# Altium PCB shield_io.PcbDoc (part 2 of 2) (continued)
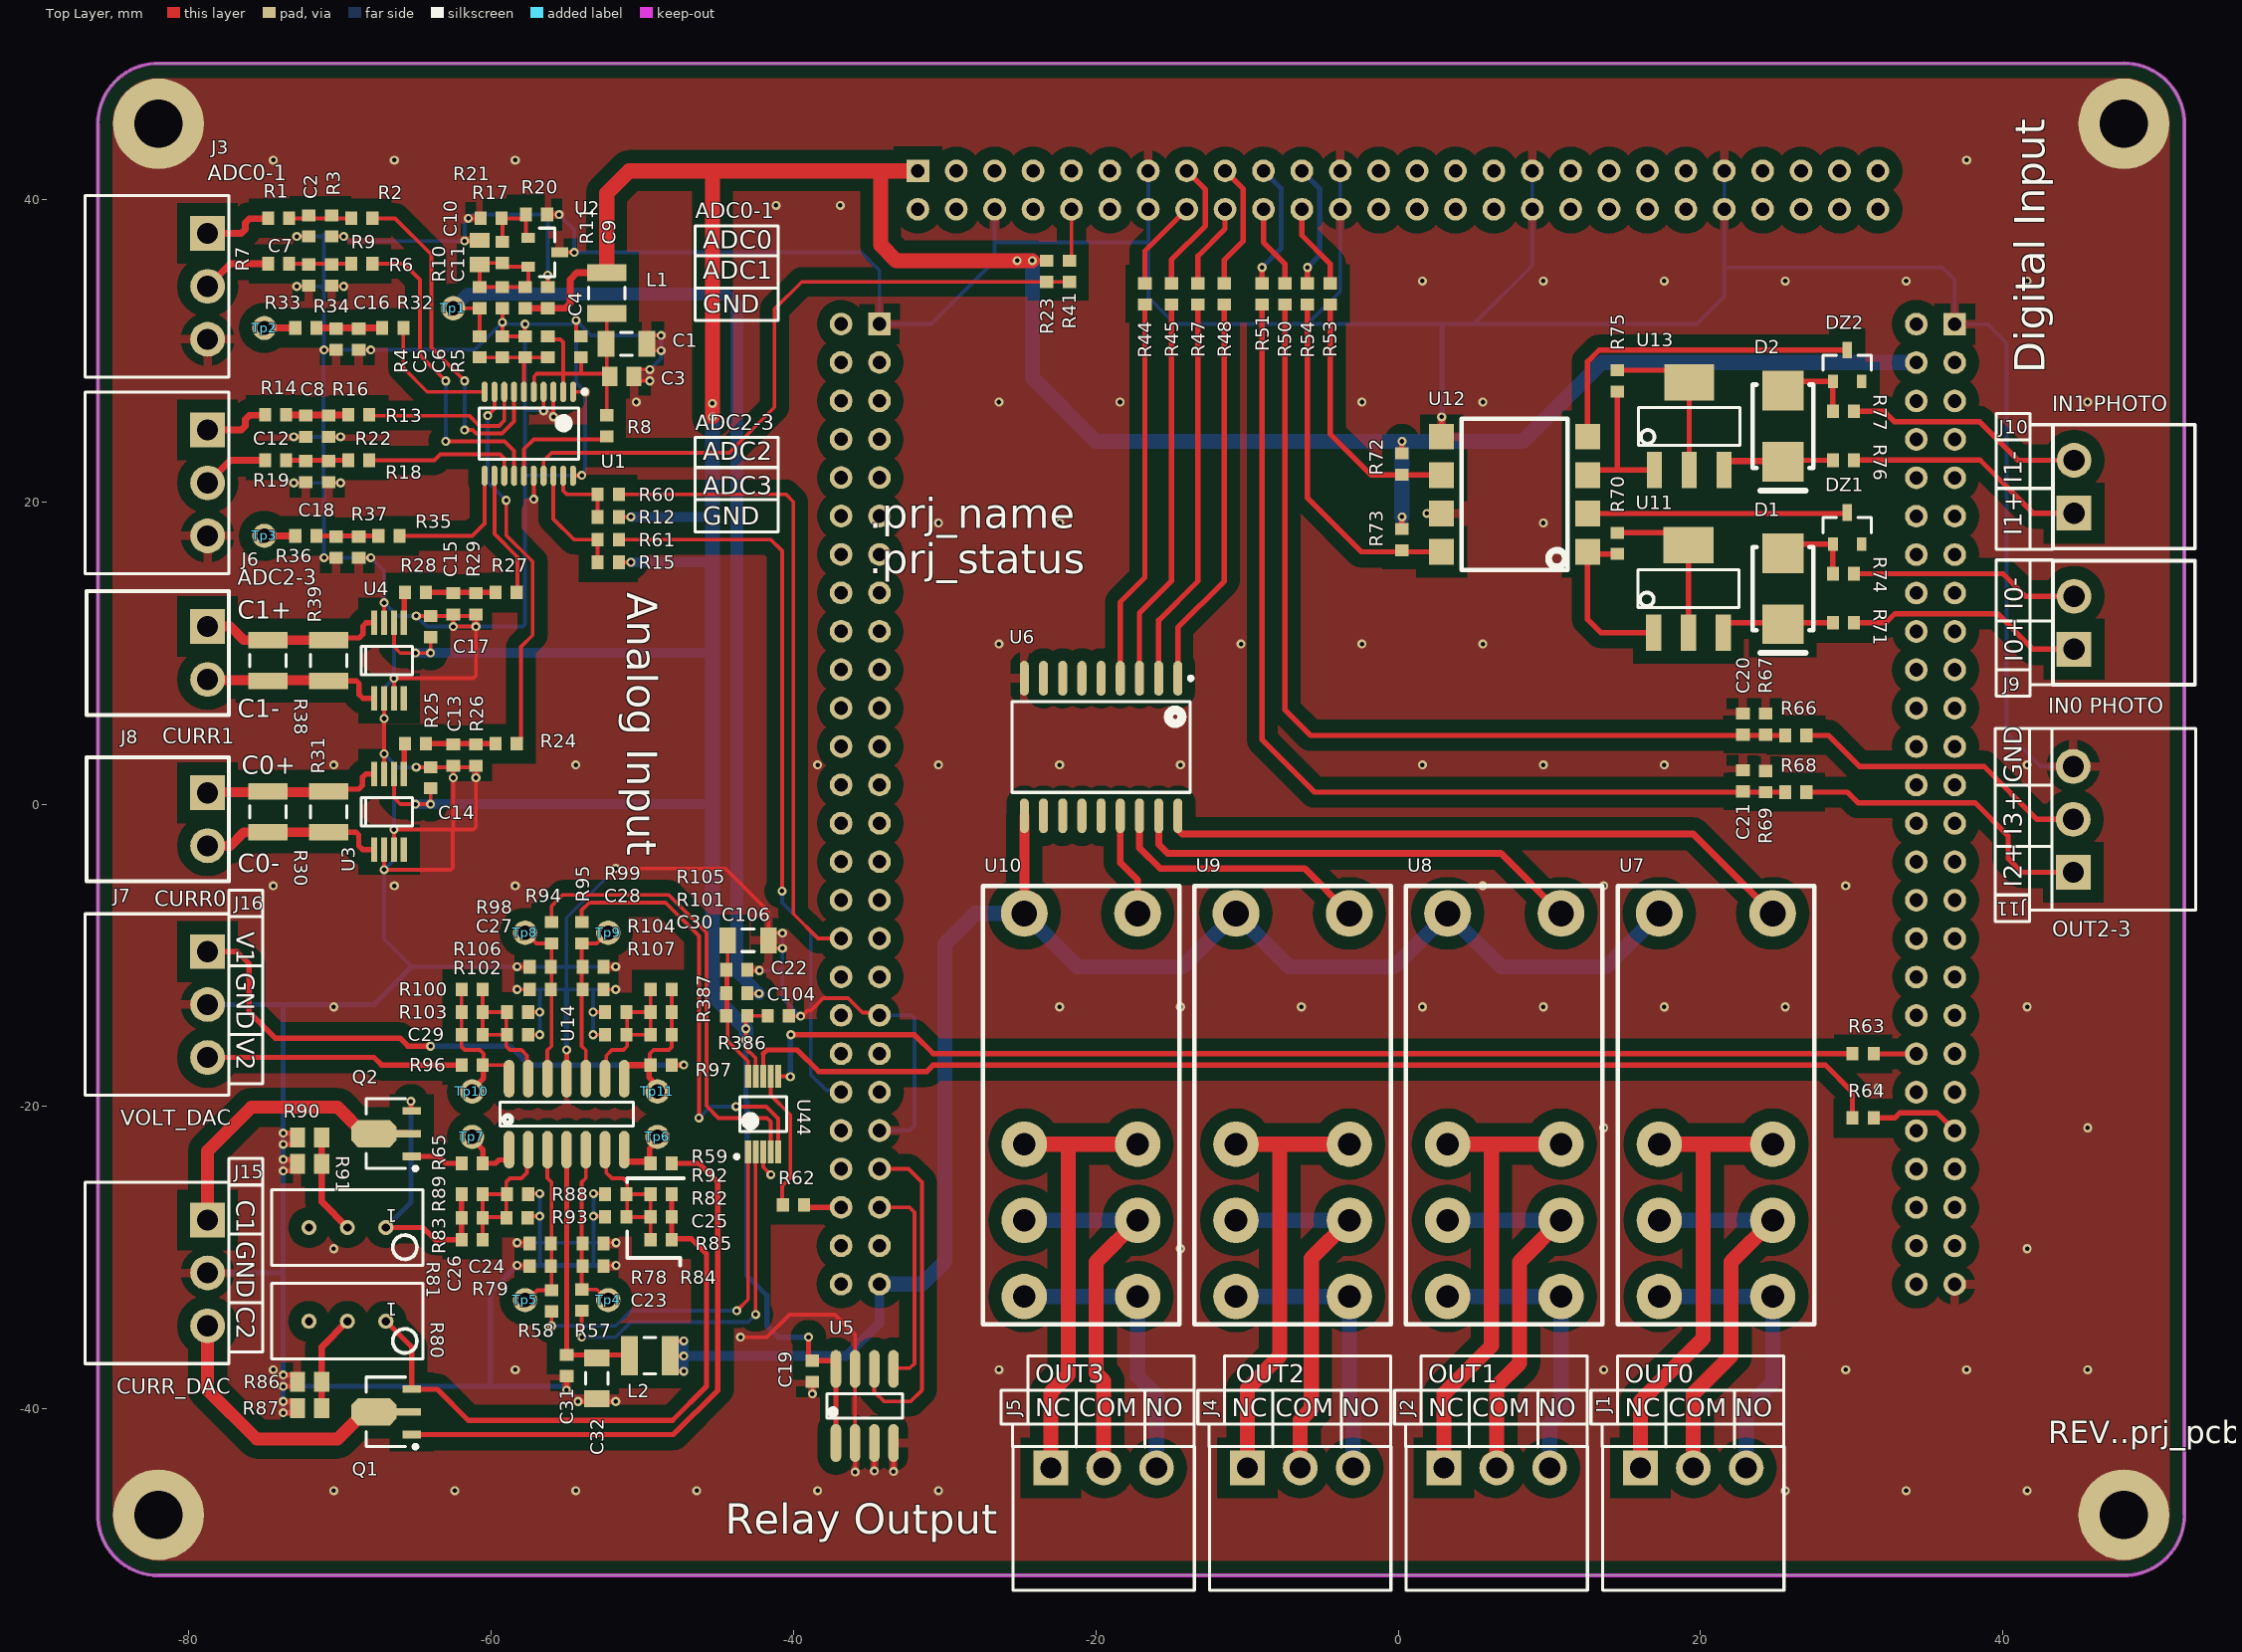
[diagram p0: Top Layer view]
## Nets (pads, with @x,y where several pads share a name; then routed paths per layer and width w, separated by ;. In a path a pad name is that pad's centre, name@x,y a point inside that pad or via, vN(x,y) a via of type N, cw(c..) or ccw(c..) an arc to the next point about the centre after c; other vN are vias at no path point) (continued)
  Top Layer w0.35: Tp10.1@-61.2,-18.95 -61.2,-18.82 -60.5,-18.12 R96.2@-60.5,-17.2
NetC30_1: C30.1 R101.2 R104.1 R105.2 R107.1 U14.9 | length 11.7
  Top Layer w0.25: U14.9@-52.46,-18.15 -52.374,-18.064 -52.374,-16.624 -52,-16.25 -51.25,-16.25 -51,-16 R107.1@-51,-15.25 ; R107.1@-51.05,-15.25 R107.1@-51,-15.25 ; C30.1@-49.45,-15.25 R107.1@-51,-15.25 ; C30.1@-49.45,-15.25 R101.2@-49.45,-13.75 ; R105.2@-49.45,-12.25 R101.2@-49.45,-13.75 ; R107.1@-51,-15.25 -51,-13.8 R104.1@-51.05,-13.75 R101.2@-49.45,-13.75
NetC30_2: C30.2 R97.2 R101.1 R105.1 Tp11.1 U14.8 | length 10.8
  Top Layer w0.25: U14.8@-51.19,-18.15 -51.19,-17.458 U14.8@-50.982,-17.25 ; R97.2@-49.45,-17.25 -49.5,-17.2 -49.5,-16.5 -49.25,-16.25 -48.25,-16.25 -48.05,-16.05 R101.1@-48.05,-13.75 R105.1@-48.05,-12.25
  Top Layer w0.35: R97.2@-49.556,-17.144 -49.556,-18.064 -48.856,-18.764 Tp11.1@-48.856,-18.894
  Top Layer w0.45: U14.8@-50.982,-17.25 R97.2@-49.45,-17.25
NetD1_1: D1.1 R71.1 U11.3 | length 7.7
  Top Layer w0.35: U11.3@21.5,11.35 21.5,11.675 21.825,12 22.5,12 R71.1@28.75,12
NetD1_2: D1.2 DZ1.1 R74.1 | length 5.5
  Top Layer w0.35: D1.2@25.45,16.6 26.063,17.213 DZ1.1@28.75,17.213 R74.1@28.75,15.25
NetD2_1: D2.1 R76.1 U13.3 | length 11.5
  Top Layer w0.35: U13.3@21.5,21.85 21.5,22.326 21.825,22.651 22.5,22.651 D2.1@25.45,22.651 ; U13.3@21.825,22.75 22.5,22.75 25.45,22.75 R76.1@28.75,22.75
NetD2_2: D2.2 DZ2.1 R77.1 | length 4.6
  Top Layer w0.35: D2.2@26.063,27.962 28.75,27.962 R77.1@28.75,26
NetDZ1_3: DZ1.3 U12.2 | length 17.2
  Top Layer w0.35: U12.2@12.526,19.23 29.642,19.23 DZ1.3@29.7,19.288
NetDZ2_3: DZ2.3 U12.4 | length 22.5
  Top Layer w0.35: U12.4@12.526,24.31 12.526,29.276 13.287,30.037 DZ2.3@29.7,30.037
NetQ1_1: Q1.1 R59.1 | length 38.8
  Top Layer w0.35: Q1.1@-65.25,-41.69 -47.94,-41.69 -45,-38.75 -45,-25 -46.25,-23.75 R59.1@-48.05,-23.75
NetQ2_1: Q2.1 R65.1 | length 3.5
  Top Layer w0.35: Q2.1@-65.25,-23.29 -63.46,-23.29 -63,-23.75 R65.1@-61.95,-23.75
NetR2_1: R2.1 U1.7 | length 23.1
  Top Layer w0.25: R2.1@-67.85,38.75 -66.338,38.75 -63.95,36.361 -63.95,30.2 v1(-61.75,28) ; v1(-61.75,24.75) -61.207,24.75 -60.982,24.525 -59.268,24.525 -58.475,25.318 U1.7@-58.475,27.275
  Bottom Layer w0.25: v1(-61.75,24.75) v1(-61.75,28)
NetR6_1: R6.1 U1.14 | length 21.4
  Top Layer w0.25: R6.1@-67.85,35.75 -65.75,35.75 -64.7,34.7 -64.7,29.7 v1(-63,28) ; v1(-63,24) -59.1,24 -58.475,23.375 U1.14@-58.475,21.725
  Bottom Layer w0.25: v1(-63,24) v1@-63,28
NetR8_1: R8.1 U1.15 | length 7.5
  Top Layer w0.25: U1.15@-57.825,21.725 -57.825,23.49 -57.175,24.14 -52.61,24.14 R8.1@-52.45,24.3
NetR13_1: R13.1 U1.8 | length 11.3
  Top Layer w0.25: R13.1@-68.05,25.75 -68,25.7 -61.45,25.7 -60.775,25.025 -59.475,25.025 -59.125,25.375 U1.8@-59.125,27.275
NetR17_2: R17.2 R20.1 R21.2 U2.1 | length 4.9
  Top Layer w0.25: R17.2@-59.25,37.2 -59.25,38.7 R21.2@-59.3,38.75 -57.95,38.75 R20.1@-57.7,39 -57.7,37.612 U2.1@-57.537,37.45
NetR18_1: R18.1 U1.13 | length 10.4
  Top Layer w0.25: R18.1@-68.05,22.75 -63.75,22.75 -63.354,23.146 -59.396,23.146 -59.125,22.875 U1.13@-59.125,21.725
NetR24_1: R24.1 U1.9 | length 25
  Top Layer w0.25: v1(-60.225,25.7) -59.775,26.15 U1.9@-59.775,27.275 ; v1@-59,19.975 -59,17.8 -57.25,16.05 -57.25,11.175 -58.025,10.4 -58.025,4.275 R24.1@-58.3,4
  Bottom Layer w0.25: v1(-60.225,25.7) -60.225,21.325 v1(-59,20.1)
NetR27_1: R27.1 U1.12 | length 8.4
  Top Layer w0.25: U1.12@-59.775,21.725 -59.775,17.868 -58.25,16.343 -58.25,14.05 R27.1@-58.3,14
NetR32_1: R32.1 U1.10 | length 8.7
  Top Layer w0.25: R32.1@-65.8,31.5 -65.8,28.85 -64.225,27.275 U1.10@-60.425,27.275
NetR33_1: R33.1 Tp2.1 | length 2.1
  Top Layer w0.45: Tp2.1@-75,31.5 R33.1@-72.95,31.5
NetR35_1: R35.1 U1.11 | length 9.1
  Top Layer w0.25: R35.1@-66.05,17.75 -61.25,17.75 -60.425,18.575 U1.11@-60.425,21.725
NetR36_1: R36.1 Tp3.1 | length 2.1
  Top Layer w0.45: Tp3.1@-75,17.75 R36.1@-72.95,17.75
NetR59_2: R59.2 Tp6.1 U14.7 | length 4.5
  Top Layer w0.35: R59.2@-49.506,-23.694 -49.506,-22.774 -48.806,-22.074 Tp6.1@-48.806,-21.944
  Top Layer w0.45: U14.7@-51.19,-22.85 -51.19,-23.522 -51.075,-23.637 -49.563,-23.637 R59.2@-49.45,-23.75
NetR65_2: R65.2 Tp7.1 U14.1 | length 4.5
  Top Layer w0.35: Tp7.1@-61.25,-22 -61.25,-22.13 -60.55,-22.83 R65.2@-60.55,-23.75 -59.71,-23.75 -59.48,-23.52 -58.972,-23.52 -58.81,-23.358 U14.1@-58.81,-22.85
NetR70_1: R70.1 U11.1 U12.1 | length 11.2
  Top Layer w0.35: R70.1@14.5,16.55 12.666,16.55 U12.1@12.526,16.69 12.526,12.224 13.4,11.35 U11.1@16.9,11.35
NetR70_2: R70.2 U11.2 U11.4 | length 10.8
  Top Layer w0.35: R70.2@14.5,17.95 18.4,17.95 U11.4@19.2,17.15 U11.2@19.2,11.35
NetR75_1: R75.1 U12.3 U13.1 | length 9.8
  Top Layer w0.35: U12.3@12.526,21.77 12.856,22.1 14.378,22.1 ; R75.1@14.5,27.3 14.5,22.222 14.378,22.1 ; U13.1@16.95,22.1 14.378,22.1
NetR75_2: R75.2 U13.2 U13.4 | length 10.9
  Top Layer w0.35: R75.2@14.5,28.7 18.45,28.7 U13.4@19.25,27.9 U13.2@19.25,22.1
NetR80_2: R80.2 R86.2 R87.2 | length 6.5
  Top Layer w0.45: R87.2@-71.2,-39.95 R86.2@-71.2,-38.2 -71.2,-35.89 R80.2@-69.5,-34.19
NetR81_2: R81.2 R90.2 R91.2 | length 6.7
  Top Layer w0.45: R90.2@-71.2,-22.04 R91.2@-71.2,-23.79 -71.2,-26.3 R81.2@-69.5,-28
NetU6_15: U6.15 U10.T2 | length 6.9
  Top Layer w0.45: U6.15@-18.38,-0.77 -18.38,-3.87 -17.23,-5.02 U10.T2@-17.23,-7.223
NetU6_16: U6.16 U9.T2 | length 17.8
  Top Layer w0.45: U6.16@-17.11,-0.77 -17.11,-2.89 -15.75,-4.25 -6.202,-4.25 U9.T2@-3.23,-7.223
NetU6_17: U6.17 U8.T2 | length 30.4
  Top Layer w0.45: U6.17@-15.84,-0.77 -15.84,-2.66 -15.25,-3.25 6.798,-3.25 U8.T2@10.77,-7.223
NetU6_18: U6.18 U7.T2 | length 42.5
  Top Layer w0.45: U6.18@-14.57,-0.77 -14.541,-0.799 -14.541,-1.695 -14.278,-1.959 19.506,-1.959 U7.T2@24.77,-7.223
NO_OUT0: J1.3 U7.NO1 U7.NO2 | length 19.6
  Bottom Layer w1: U7.NO1@17.27,-32.563 U7.NO2@24.77,-32.563 24.77,-38.23 23.02,-39.98 J1.3@23.02,-43.893
NO_OUT1: J2.3 U8.NO1 U8.NO2 | length 19.1
  Bottom Layer w1: U8.NO1@3.27,-32.563 U8.NO2@10.77,-32.563 10.77,-40.23 10.02,-40.98 J2.3@10.02,-43.893
NO_OUT2: J4.3 U9.NO1 U9.NO2 | length 18.9
  Bottom Layer w1: U9.NO1@-10.73,-32.563 U9.NO2@-3.23,-32.563 -3.23,-39.248 -2.98,-39.498 J4.3@-2.98,-43.893
NO_OUT3: J5.3 U10.NO1 U10.NO2 | length 19.3
  Bottom Layer w1: U10.NO1@-24.73,-32.563 U10.NO2@-17.23,-32.563 -17.23,-37.843 -15.98,-39.092 J5.3@-15.98,-43.893
OUT0: R48.1 U6.1 | length 26
  Top Layer w0.35: U6.1@-14.57,8.33 -14.57,11.68 -11.5,14.75 R48.1@-11.5,33.05
OUT1: R47.2 U6.2 | length 25.8
  Top Layer w0.35: U6.2@-15.84,8.33 -15.84,12.16 -13.25,14.75 R47.2@-13.25,33.05
OUT2: R45.1 U6.3 | length 25.6
  Top Layer w0.35: U6.3@-17.11,8.33 -17.11,12.64 -15,14.75 R45.1@-15,33.05
OUT3: R44.2 U6.4 | length 25.4
  Top Layer w0.35: U6.4@-18.38,8.33 -18.38,13.37 -16.75,15 R44.2@-16.75,33.05
PA0_LCDDAT0_TMS_A7: J12.41
PA1_LCDDAT1_F6: J12.42
PA2_LCDDAT2_G1_TXCK_E6: J12.39
PA3_LCDDAT3_G1_RXCK_C6: J12.40
PA4_LCDDAT4_G1_TXEN_D6: J12.37
PA5_LCDDAT5_G1_TXER_B6: J12.38
PA6_LCDDAT6_G1_CRS_A6: J12.35
PA7_LCDDAT7_E5: J12.36
PA8_LCDDAT8_TCK_A5: J12.31
PA9_LCDDAT9_G1_COL_F4: J12.32
PA10_LCDDAT10_G1_RXDV_F5: J12.29
PA11_LCDDAT11_G1_RXER_D5: J12.30
PA12_LCDDAT12_G1_RX0_G5: J12.27
PA13_LCDDAT13_G1_RX1_C5: J12.28
PA14_LCDDAT14_G1_TX0_E4: J12.25
PA15_LCDDAT15_G1_TX1_B5: J12.26
PA16_LCDDAT16_NTRST_H6: J12.21 R54.2 | length 8.3
  Top Layer w0.35: R54.2@-6,34.45 v1(-6,35.5)
  Bottom Layer w0.35: J12.21@-6.37,41.889 -5.195,40.714 -5.195,36.305 v1(-6,35.5)
PA17_LCDDAT17_D4: J12.22 R53.1 | length 5.7
  Top Layer w0.35: J12.22@-6.37,39.349 -6.37,37.62 -4.5,35.75 R53.1@-4.5,34.45
PA18_LCDDAT18_G1_RX2_G4: J12.19 R51.2 | length 8.4
  Top Layer w0.35: R51.2@-9,34.45 v1(-9,35.5)
  Bottom Layer w0.35: v1(-9,35.5) -7.735,36.765 -7.735,40.714 J12.19@-8.91,41.889
PA19_LCDDAT19_G1_RX3_C4: J12.20 R50.1 | length 5.5
  Top Layer w0.35: J12.20@-8.91,39.349 -8.91,37.16 -7.5,35.75 R50.1@-7.5,34.45
PA20_LCDDAT20_G1_TX2_A3: J12.17 R48.2 | length 8.5
  Top Layer w0.35: R48.2@-11.5,34.45 -11.5,36 -10.25,37.25 -10.25,40.689 J12.17@-11.45,41.889
PA21_LCDDAT21_G1_TX3_B4: J12.18 R47.1 | length 5.6
  Top Layer w0.35: R47.1@-13.25,34.45 -13.25,36.25 -11.45,38.05 J12.18@-11.45,39.349
PA22_LCDDAT22_G1_MDC_B3: J12.15 R45.2 | length 8.9
  Top Layer w0.35: R45.2@-15,34.45 -15,36 -12.75,38.25 -12.75,40.649 J12.15@-13.99,41.889
PA23_LCDDAT23_G1_MDIO_A4: J12.16 R44.1 | length 6
  Top Layer w0.35: R44.1@-16.75,34.45 -16.75,36.59 J12.16@-13.99,39.349
PA24_LCDPWM_PCK0_H5: J12.9
PA25_LCDDISP_TD0_F3: J12.11
PA26_LCDVSYNC_PWMH0_SP1_NPCS1_E3: J12.10 R41.1 | length 3.5
  Top Layer w0.25: R41.1@-21.75,35.95 -21.61,36.09 J12.10@-21.61,39.349
PA27_LCDHSYNC_PWML0_SPI1_NPCS2_H4: J12.8
PA28_LCDPCK_PWMH1_SP1_NPCS3_G3: J12.12
PA29_LCDDEN_PWML1_J5: J12.7
PA30_TWD0_D3: J13.47 U5.5 | length 14
  Top Layer w0.25: J13.47@-34.308,-26.66 -32.34,-26.66 -32,-27 -32,-37 -32.301,-37.301 -33.331,-37.301 U5.5@-33.38,-37.35
PA31_TWCK0_J4: J13.45 U5.6 | length 22.2
  Top Layer w0.25: U5.6@-34.65,-37.35 -34.65,-38.85 -34,-39.5 -32.25,-39.5 -31.5,-38.75 -31.5,-25 -32.38,-24.12 J13.45@-34.308,-24.12
PB1_G0_RXCK_SCK2_ISI_PCK_A2: J13.3
PB3_G0_TXER_CTS2_ISI_VSYNC_C2: J13.6
PB4_G0_CRS_RXD2_ISI_HSYNC_J3: J13.14
PB5_G0_COL_TXD2_PCK2_H2: J13.12
PB10_G0_RX2_PCK2_PWML1_F1: J13.10
PB11_G0_RX3_RTS2_PWMH1_K4: J13.13
PB14_G0_TX2_SPI2_NPCS1_PWMH0_A1: J13.5
PB15_G0_TX3_SPI2_NPCS2_PWML0_E2: J13.7
PB18_SPI1_MISO_K2: J12.45
PB19_SPI1_MOSI_C1: J12.47
PB20_SPI1_SPCK__D1: J12.49
PB21_SPI1_NPCS0_L3: J13.15
PB22_SPI1_NPCS1_G1: J13.9
PB23_SPI1_NPCS2_H1: J12.51
PB24_DRXD_TDI_E1: J13.8
PB25_DTXD_TDO_J1: J13.11
PB26_PCK0_RK0_PWMH0_M5: J14.45
PB27_SPI1_NPCS3_TK0_PWML0_L2: J13.17
PB28_SPI2_NPCS3_TD0_PWMH1_K1: J13.16
PB29_TWD2_RD0_PWML1_M3: J13.42 R61.1 | length 49
  Top Layer w0.25: R61.1@-51.55,17.5 -41.5,17.5 -40.75,16.75 v1(-40.75,-5.75)
  Bottom Layer w0.25: v1(-40.75,-5.75) -40.75,-6.5 -38.85,-8.4 -38.85,-17.9 -37.824,-18.926 -36.962,-18.926 J13.42@-36.848,-19.04
PB30_TWCK2_RF0_M4: J13.34 R60.1 | length 42.8
  Top Layer w0.25: R60.1@-51.55,20.5 -40.5,20.5 -40,20 -40,-7.25 -38.37,-8.88 J13.34@-36.848,-8.88
PB31_TF0_L1: J13.18
PC0_SPI0_MISO_PWMH2_ISI_D8: J13.50
PC1_SPI0_MOSI_PWML2_ISI_D9_P8: J14.43 R64.2 | length 6
  Top Layer w0.35: R64.2@31.45,-20.75 32.84,-20.75 33.175,-20.415 35.637,-20.415 J14.43@36.812,-21.59
PC2_SPI0_SPCK_PWMH3_ISI_D10_V5: J13.48 R62.1 | length 2.5
  Top Layer w0.35: R62.1@-39.3,-26.5 -39.14,-26.66 J13.48@-36.848,-26.66
PC3_SPI0_NPCS0_PWML3_ISI_D11_T9: J14.40 R63.1 | length 2.8
  Top Layer w0.35: R63.1@31.45,-16.5 31.46,-16.51 J14.40@34.272,-16.51
PC4_SPI0_NPCS1_MCI0_CK_PCK1_W5: J14.33
PC19_ISI_D0_TK1_U14: J14.32
PC20_ISI_D1_TF1_V11: J14.36
PC21_ISI_D2_TD1_U15: J14.27
PC22_ISI_D3_RF1_T15: J14.41
PC23_ISI_D4_RD1_U16: J14.28
PC24_ISI_D5_RK1_PCK1_T16: J14.30
PC25_ISI_D6_TWD3_URXD1_V17: J14.16
PC26_ISI_D7_TWCK3_UTXD1_R16: J14.25
PC27_AD0_SPI0_NPCS1_PWML0_U12: J12.46
PC28_AD1_SPI0_NPCS2_PWML1_T11: J12.48
PC29_AD2_SPI0_NPCS3_PWMFI0_R13: J12.50
PC30_AD3_PWMH0_T12: J12.52
PC31_AD4_PWMH1_T13: J14.31
PD8_PCK0_M1: J13.20
PD9_FIQ_M2: J13.19
PD10_CTS0_N2: J13.23
PD11_RTS0_SPI2_MISO_N3: J13.24
PD12_RXD0_N1: J13.22
PD13_TXD0_SPI2_MOSI_P3: J13.25
PD14_CTS1_P2: J13.33
PD15_RTS1_SPI2_SPCK_N4: J14.47
PD16_RXD1_R2: J13.32
PD17_TXD1_SPI2_NPCS0_R3: J13.31
PD19_P11: J14.35
PD20_T10: J14.48
PD21_P10: J14.39
PD22_U11: J14.38
PD23_R10: J14.42
PD24_U10: J14.37
PD25_R11: J14.34
PD26_U13: J13.38
PD27_T14: J14.46
PD28_SCK0_R1: J13.27
PD29_SCK1_P1: J13.26
PD31_SPI0_NPCS2_PCK1_P5: J14.50
PE0_MCI0_CDB_CTS4_W19: J14.29
PE1_MCI0_DB0_U17: J14.20
PE2_MCI0_DB1_T17: J14.19
PE3_MCI0_DB2_P16: J14.22
PE4_MCI0_DB3_U18: J14.21
PE5_CTS3_R17: J14.18
PE6_TIOA3_V19: J14.13
PE7_TIOB3_PWMFI1_U19: J14.12
PE8_TCLK3_PWML3_T19: J14.24
PE9_TIOA2_T18: J14.11
PE10_TIOB2_N14: J14.44
PE11_TCLK2_R18: J14.7
PE12_TIOA1_PWMH2_P17: J14.15
PE13_TIOB1_PWML2_P18: J14.9
PE14_TCLK1_PWMH3_N17: J14.14
PE15_SCK3_TIOA0_N18: J14.6
PE16_RXD3_TIOB0_M15: J14.26
PE17_TXD3_TCLK0_N19: J14.5
PE24_RTS3_L19: J14.10
PE25_SCK4_IRQ_M17: J14.8
PE26_RXD4_L15: J14.23
PE27_TXD4_M16: J14.17
PE28_RTS4_L17: J14.3
PE29_DIBP_URXD0_TWD1_V1: J13.28
PE30_DIBN_UTXD0_TWCK1_U2: J13.30
PE31_ADTRG_L4: J13.21
PIOBU0_U3: J13.40
PIOBU1: J14.52
SHDN_T2: J13.29
VOLT_AUX1: J16.1 R97.1 | length 37.3
  Top Layer w0.35: J16.1@-78.75,-9.75 -76.806,-9.75 -76,-10.556 -76,-13.75 -74.281,-15.469 -66.031,-15.469 -65.5,-16 v1(-64,-16) ; R97.1@-48.05,-17.25 v1(-47.25,-17.25)
  Bottom Layer w0.35: v1(-64,-16) -58.75,-16 -57.5,-17.25 v1(-47.25,-17.25)
VOLT_AUX2: J16.3 R96.1 | length 17
  Top Layer w0.35: J16.3@-78.75,-16.75 -67.75,-16.75 -67.25,-17.25 R96.1@-61.95,-17.25
VOLT_DAC_Vc: R95.1 U44.5 | length 29.8
  Top Layer w0.25: R95.1@-54,-7.8 -54,-7 -53.5,-6.5 -48.457,-6.5 -46.25,-8.707 v1(-46.25,-20.75) ; v1(-43.8,-20) -41.793,-20 -41,-20.793 U44.5@-41,-23
  Bottom Layer w0.25: v1(-46.25,-20.75) -45.5,-20 v1(-43.8,-20)
VOLT_DAC_Vd: R94.1 U44.4 | length 30.8
  Top Layer w0.25: R94.1@-56,-7.8 -56,-6.75 -55.25,-6 -48.25,-6 -45.75,-8.5 -45.75,-19.957 -44.957,-20.75 -41.75,-20.75 -41.5,-21 U44.4@-41.5,-23
VREF_ADC: R4.2 R10.2 R387.1 Tp1.1 | length 70
  Top Layer w0.25: Tp1.1@-62.5,32.8 R10.2@-60.75,32.8 R4.2@-60.75,30.95 ; R387.1@-43.075,-12.475 -43.025,-12.525 v1(-42.275,-12.525)
  Bottom Layer w0.85: Tp1.1@-62.5,32.8 -61.55,33.75 -44.5,33.75 -43.75,33 -43.75,-11.05 v1(-42.275,-12.525)
WKUP_V3: J13.36
pads on no net: DZ1.2 DZ2.2 J12.2 J12.3 J12.4 J12.5 J13.2 J13.4 J13.44 J14.2 J14.49 R80.3 R81.3 U3.4 U4.4 U6.5 U6.6 U6.7 U6.8 U6.11 U6.12 U6.13 U6.14

## Polygon pours and split planes (outlines as drawn)
GND on Bottom Layer "GND_L02_P000" (solid, remove dead copper, pour order 0): -86,-47.255 -86,45 -86.008,45 cw(c-82,45) -82.255,49 48,49 48,49.008 cw(c48,45) 52,45.255 52,-47 52.008,-47 cw(c48,-47) 48.255,-51 -82,-51 -82,-51.008 cw(c-82,-47)
GND on Top Layer "GND_L01_P001" (solid, remove dead copper, pour order 1): -86,-47.255 -86,45 -86.008,45 cw(c-82,45) -82.255,49 48,49 48,49.008 cw(c48,45) 52,45.255 52,-47 52.008,-47 cw(c48,-47) 48.255,-51 -82,-51 -82,-51.008 cw(c-82,-47)

## Keep-outs
Keep-Out Layer:
  lines w0.25: -86.008,45 cw(c-82,45) -82.255,49 48,49 ; -86,45 -86,-47.255 ccw(c-82,-47) -82,-51.008 ; -82,-51 48.255,-51 ccw(c48,-47) 52.008,-47 ; 48,49.008 cw(c48,45) 52,45.255 52,-47

## Silkscreen, mask and mechanical layers (free items; w line width, h text height)
Top Overlay:
  lines w0.2: -77.35,-36.223 -75.1,-36.223 ; -77.35,-36.186 -77.35,-24.186 -77.35,-23.436 -75.1,-23.436 -75.1,-25.186 ; -77.35,-32.973 -75.1,-32.973 ; -77.35,-28.434 -75.1,-28.434 ; -77.35,-25.188 -77.35,-25.186 -75.1,-25.186 ; -77.35,-18.474 -75.1,-18.474 ; -77.35,-18.436 -77.35,-6.436 -77.35,-5.686 -75.1,-5.686 -75.1,-7.436 ; -77.35,-15.224 -75.1,-15.224 ; -77.35,-10.684 -75.1,-10.684 ; -77.35,-7.438 -77.35,-7.436 -75.1,-7.436 ; -75.1,-36.186 -75.1,-25.186 ; -75.1,-32.954 -75.1,-32.936 ; -75.1,-18.436 -75.1,-7.436 ; -75.1,-15.205 -75.1,-15.186 ; -46.5,20.138 -41,20.138 ; -46.5,22.27 -41,22.27 ; -46.5,34.138 -41,34.138 ; -46.5,36.27 -41,36.27 ; -25.5,-42.5 -25.5,-41 ; -24.498,-41 -24.5,-41 -24.5,-38.75 ; -21.29,-42.5 -21.29,-38.75 ; -16.75,-42.5 -16.75,-38.75 -16.731,-38.75 ; -13.5,-42.5 -13.5,-38.75 ; -13.5,-41 -25.5,-41 ; -12.5,-42.5 -12.5,-41 ; -11.498,-41 -11.5,-41 -11.5,-38.75 ; -8.29,-42.5 -8.29,-38.75 ; -3.75,-42.5 -3.75,-38.75 -3.731,-38.75 ; -0.5,-42.5 -0.5,-38.75 ; -0.5,-41 -12.5,-41 ; 0.5,-42.5 0.5,-41 ; 1.502,-41 1.5,-41 1.5,-38.75 ; 4.71,-42.5 4.71,-38.75 ; 9.25,-42.5 9.25,-38.75 9.269,-38.75 ; 12.5,-42.5 12.5,-38.75 ; 12.5,-41 0.5,-41 ; 13.5,-42.5 13.5,-41 ; 14.502,-41 14.5,-41 14.5,-38.75 ; 17.71,-42.5 17.71,-38.75 ; 22.25,-42.5 22.25,-38.75 22.269,-38.75 ; 25.5,-42.5 25.5,-38.75 ; 25.5,-41 13.5,-41 ; 39.5,-6 39.5,5 43.25,5 ; 39.5,-2.79 43.25,-2.79 ; 39.5,1.769 39.5,1.25 43.25,1.25 43.25,1.75 ; 39.55,8.551 39.55,16.151 39.55,16.15 43.3,16.15 ; 39.55,12.11 43.3,12.11 ; 39.55,20.89 43.3,20.89 ; 39.55,24.449 39.55,16.849 39.55,16.85 43.3,16.85 ; 41.75,-5.998 39.5,-5.998 39.5,-7.75 41.75,-7.75 41.75,-7 ; 41.75,5 41.75,-7 ; 41.8,8.902 39.55,8.902 39.55,7.15 41.8,7.15 41.8,7.9 ; 41.8,16.15 41.8,7.9 ; 41.8,16.85 41.8,25.1 ; 41.8,24.098 39.55,24.098 39.55,25.85 41.8,25.85 41.8,25.1 ; 43.25,-7 41.75,-7 ; 43.3,7.9 41.8,7.9 ; 43.3,25.1 41.8,25.1 ; -25.5,-41 -26.25,-41 -26.25,-38.75 -24.5,-38.75 ; -24.5,-38.75 -13.5,-38.75 ; -24.5,-38.75 -24.5,-36.5 -13.5,-36.5 -13.5,-38.75 ; -12.5,-41 -13.25,-41 -13.25,-38.75 -11.5,-38.75 ; -11.5,-38.75 -0.5,-38.75 ; -11.5,-38.75 -11.5,-36.5 -0.5,-36.5 -0.5,-38.75 ; 0.5,-41 -0.25,-41 -0.25,-38.75 1.5,-38.75 ; 1.5,-38.75 12.5,-38.75 ; 1.5,-38.75 1.5,-36.5 12.5,-36.5 12.5,-38.75 ; 13.5,-41 12.75,-41 12.75,-38.75 14.5,-38.75 ; 14.5,-38.75 25.5,-38.75 ; 14.5,-38.75 14.5,-36.5 25.5,-36.5 25.5,-38.75 ; -46.5,18 -41,18 -41,24.25 -46.5,24.25 -46.5,18 ; -46.5,32 -41,32 -41,38.25 -46.5,38.25 -46.5,32
  lines w0.254: -51,-28.25 -51,-30 -47.5,-30 -47.5,-30.5 ; -51,-25 -51,-24.75 -47.25,-24.75
  text "ADC0-1" at -46.5,38.75 h1
  text "ADC0" at -46,36.75 h1.2
  text "ADC1" at -46,34.75 h1.2
  text "GND" at -46,32.5 h1.2
  text "Digital Input" at 42.75,28.5 h2 r90
  text "ADC2-3" at -46.5,24.75 h1
  text "ADC2" at -46,22.75 h1.2
  text "ADC3" at -46,20.5 h1.2
  text "GND" at -46,18.5 h1.2
  text "I1+ I1-" at 41.25,17.75 h1.2 r90
  text ".prj_name / .prj_status" at -35,15.25 h2
  text "Analog Input" at -51,14 h2 r270
  text "C1+" at -76.75,12.25 h1.2
  text "I0+ I0-" at 41.3,9.4 h1.2 r90
  text "C1-" at -76.75,5.75 h1.2
  text "C0+" at -76.5,2 h1.2
  text "C0-" at -76.75,-4.5 h1.2
  text "I2+ I3+ GND" at 41.25,-5.5 h1.2 r90
  text "V1 GND V2" at -76.842,-8.436 h1.2 r270
  text "C1 GND C2" at -76.842,-26.186 h1.2 r270
  text "NC COM NO" at -24,-40.5 h1.2
  text "NC COM NO" at -11,-40.5 h1.2
  text "NC COM NO" at 2,-40.5 h1.2
  text "NC COM NO" at 15,-40.5 h1.2
  text "REV..prj_pcb" at 43,-42.25 h1.5
  text "Relay Output" at -44.5,-48.25 h2
Bottom Overlay:
  lines w0.2: -38.85,-12.28 -38.85,-7.75 -32.5,-7.75 -32.5,-18.019 -38.75,-18.019 -38.75,-12.25 ; -38.75,-27.75 -38.75,-23 -32.5,-23 -32.5,-27.75 -38.75,-27.75 ; -38.75,30 -32.5,30 -32.5,34.75 -38.75,34.75 -38.75,30 ; -35.25,37.75 -35.25,44 -2.5,44 -2.5,37.75 -35.25,37.75 ; 7.5,37.75 7.5,44 10,44 10,37.75 7.5,37.75 ; 20.5,37.5 20.5,43.75 22.75,43.75 22.75,37.5 20.5,37.5 ; 32.25,-33.5 38.5,-33.5 38.5,-30.5 32.25,-30.5 32.25,-33.5 ; 32.5,-23 38.75,-23 38.75,-15 32.5,-15 32.5,-23 ; 32.5,28 38.75,28 38.75,33.75 32.5,33.75 32.5,28
  text ".prj_name / .prj_status" at 28.75,-2.25 h2
  text "REV..prj_pcb" at 41,-42.5 h1.5
Top Solder:
  drawing of 28 lines, arcs and shapes, not listed
  text "D" at 39.867,-40.625 h1.5
  text "B" at 39.867,-43.425 h1.5
Outline:
  lines w0.25: -86.008,45 cw(c-82,45) -82.255,49 48,49 ; -86,45 -86,-47.255 ccw(c-82,-47) -82,-51.008 ; -82,-51 48.255,-51 ccw(c48,-47) 52.008,-47 ; 48,49.008 cw(c48,45) 52,45.255 52,-47
Drawing:
  lines w0.25: -35.56,0.01 -0.02,0.01 ; -0.02,0 35.56,0 ; -0.02,0.005 -0.02,40.619
Assembly Top:
  text "Assembly TOP" at 140,-105 h5
Assembly Bottom:
  text "Assembly Bottom" at -116,-105 h5
Note Top:
  text "Note TOP" at 140,-105 h5
Note Bottom:
  text "Note Bottom" at -116,-105 h5
PCB_Note:
  drawing of 223 lines, arcs and shapes, not listed
  text "NOTE:" at -181.5,143.25 h10
  text "- Layer: 4L" at -181.5,134 h5
  text "- Material: FR4 HTG" at -181.5,129 h5
  text "- Finishing: HASL" at -181.5,124 h5
  text "- Silkscreen: WHITE" at -181.5,119 h5
  text "- Solder mask color: GREEN" at -181.5,114 h5
  text "2 Layers" at -171.25,-9 h5
  text "File Layer names:" at -172.25,-14.25 h3.5
  text "GTO" at -172.25,-18.25 h3
  text "Top Overlay" at -163.25,-18.25 h3
  text "GTP" at -172.25,-21.25 h3
  text "Top Paste" at -163.25,-21.25 h3
  text "GTS" at -172.25,-24.25 h3
  text "Top Solder" at -163.25,-24.25 h3
  text "GTL" at -172.25,-27.25 h3
  text "Top Layer" at -163.25,-27.25 h3
  text "GBL" at -172.25,-30.25 h3
  text "Bottom Layer" at -163.25,-30.25 h3
  text "GBS" at -172.25,-33.25 h3
  text "Bottom Solder" at -163.25,-33.25 h3
  text "GBP" at -172.25,-36.25 h3
  text "Bottom Paste" at -163.25,-36.25 h3
  text "GBO" at -172.25,-39.25 h3
  text "Bottom Overlay" at -163.25,-39.25 h3
  text "GM1" at -172.25,-45.25 h3
  text "Outline" at -163.25,-45.25 h3
  text "GM7" at -172.25,-48.25 h3
  text "PCB_Note" at -163.25,-48.25 h3
  text "Layer" at -184.858,-71.25 h1.5
  text "Name" at -176.052,-71.25 h1.5
  text "Material" at -156.834,-71.25 h1.5
  text "Thickness" at -143.2,-71.25 h1.5
  text "Constant" at -130.173,-71.25 h1.5
  text "Board Layer Stack" at -117.754,-71.25 h1.5
  text "Top Overlay" at -176.052,-74.25 h1.5
  text "Top Solder" at -176.052,-77.25 h1.5
  text "SM-001" at -156.834,-77.25 h1.5
  text "0,025mm" at -143.2,-77.25 h1.5
  text "4" at -130.173,-77.25 h1.5
  text "1" at -184.858,-80.25 h1.5
  text "Top Layer" at -176.052,-80.25 h1.5
  text "Copper" at -156.834,-80.25 h1.5
  text "0,035mm" at -143.2,-80.25 h1.5
  text "Dielectric 1" at -176.052,-83.25 h1.5
  text "Core-043" at -156.834,-83.25 h1.5
  text "1,499mm" at -143.2,-83.25 h1.5
  text "4,3" at -130.173,-83.25 h1.5
  text "2" at -184.858,-86.25 h1.5
  text "Bottom Layer" at -176.052,-86.25 h1.5
  text "Copper" at -156.834,-86.25 h1.5
  text "0,035mm" at -143.2,-86.25 h1.5
  text "Bottom Solder" at -176.052,-89.25 h1.5
  text "SM-001" at -156.834,-89.25 h1.5
  text "0,025mm" at -143.2,-89.25 h1.5
  text "4" at -130.173,-89.25 h1.5
  text "Bottom Overlay" at -176.052,-92.25 h1.5
  text "PCB Note" at 140,-105 h5
  text "Board Name" at 140,-109.008 h2
  text ".prj_name" at 160,-109.008 h2
  text "P/N" at 140,-113 h2
  text ".prj_pn" at 160,-113.016 h2
  text "Author" at 140,-117.008 h2
  text "Daniele Basile <asterix@develer.com>" at 160,-117.008 h2
  text "Date" at 140,-121 h2
  text ".prj_date" at 160,-121 h2
  text "Revision" at 140,-125 h2
  text ".prj_pcb" at 160,-125 h2
  text "A3" at 210,-125 h2
Top TitleBlock:
  lines w0.3: 99,-126 99,-106.016 ; 139,-126 139,-100.008 ; 209,-126 209,-122 ; -193,-126 217,-126 ; -193,-126 217,-126 ; -193,-126 -193,159 217,159 217,-126 ; -198,-131 -198,164 222,164 222,-131 -198,-131
  lines w0.35: 99,-106.016 217,-106.016 ; 139,-118.008 217,-118.008 ; 139,-114.016 217,-114.016 ; 139,-110.008 217,-110.008 ; 139,-100.008 217,-100.008 ; 159,-126 159,-106.016 ; 139,-122 217,-122 139,-122
  text "PCB Note" at 140,-105 h5
  text "Board Name" at 140,-109.008 h2
  text ".prj_name" at 160,-109.008 h2
  text "P/N" at 140,-113 h2
  text ".prj_pn" at 160,-113.016 h2
  text "Author" at 140,-117.008 h2
  text "Daniele Basile <asterix@develer.com>" at 160,-117.008 h2
  text "Date" at 140,-121 h2
  text ".prj_date" at 160,-121 h2
  text "Revision" at 140,-125 h2
  text ".prj_pcb" at 160,-125 h2
  text "A3" at 210,-125 h2
Bottom TitleBlock:
  lines w0.3: -185,-126 -185,-122 ; -115,-126 -115,-100.008 ; -75,-126 -75,-106.016 ; -193,-126 217,-126 ; -193,-126 217,-126 ; -193,-126 -193,159 217,159 217,-126 ; -198,-131 222,-131 222,164 -198,164 -198,-131
  lines w0.35: -193,-118.008 -115,-118.008 ; -193,-114.016 -115,-114.016 ; -193,-110.008 -115,-110.008 ; -193,-106.016 -75,-106.016 ; -193,-100.008 -115,-100.008 ; -135,-126 -135,-106.016 ; -193,-122 -115,-122 -193,-122
  text ".prj_name" at -136,-109.008 h2
  text "Board Name" at -116,-109.008 h2
  text "P/N" at -116,-113 h2
  text ".prj_pn" at -136,-113.016 h2
  text "Daniele Basile <asterix@develer.com>" at -136,-117.008 h2
  text "Author" at -116,-117.008 h2
  text ".prj_date" at -136,-121 h2
  text "Date" at -116,-121 h2
  text "A3" at -186,-125 h2
  text ".prj_pcb" at -136,-125 h2
  text "Revision" at -116,-125 h2

## Text inside footprints (layer, text, board x,y; h text height)
D1: Note Top "K" at 25.75,10.1 h1 r90
D2: Note Top "K" at 25.75,20.85 h1 r90
J12: Assembly Bottom "16" at -14.48,39.919 h2 r180; Assembly Bottom "1" at -31.88,42.419 h2 r180; Note Bottom "1" at -31.88,42.419 h2 r180; Note Bottom "16" at -14.48,39.919 h2 r180; Drawing "51" at 32.18,42.919 h1 r180; Drawing "52" at 31.98,38.919 h1 r180; Drawing "2" at -32.88,40.119 h1 r180; Drawing "1" at -32.88,42.619 h1 r180; Bottom Overlay "2" at -34.78,39.419 h2 r180; Bottom Overlay "52" at 33.67,39.449 h2 r180; Bottom Overlay "1" at -34.48,43.119 h2 r180; Bottom Overlay "51" at 33.67,43.259 h2 r180
J13: Assembly Bottom "16" at -36.278,14.47 h2 r90; Assembly Bottom "1" at -33.778,31.87 h2 r90; Note Bottom "1" at -33.778,31.87 h2 r90; Note Bottom "16" at -36.278,14.47 h2 r90; Drawing "51" at -33.278,-32.19 h1 r90; Drawing "52" at -37.278,-31.99 h1 r90; Drawing "2" at -36.078,32.87 h1 r90; Drawing "1" at -33.578,32.87 h1 r90; Bottom Overlay "2" at -36.778,34.77 h2 r90; Bottom Overlay "52" at -36.748,-33.68 h2 r90; Bottom Overlay "1" at -33.078,34.47 h2 r90; Bottom Overlay "51" at -32.938,-33.68 h2 r90
J14: Assembly Bottom "16" at 34.842,14.46 h2 r90; Assembly Bottom "1" at 37.342,31.86 h2 r90; Note Bottom "1" at 37.342,31.86 h2 r90; Note Bottom "16" at 34.842,14.46 h2 r90; Drawing "51" at 37.842,-32.2 h1 r90; Drawing "52" at 33.842,-32 h1 r90; Drawing "2" at 35.042,32.86 h1 r90; Drawing "1" at 37.542,32.86 h1 r90; Bottom Overlay "2" at 34.342,34.76 h2 r90; Bottom Overlay "52" at 34.372,-33.69 h2 r90; Bottom Overlay "1" at 38.042,34.46 h2 r90; Bottom Overlay "51" at 38.182,-33.69 h2 r90
R80: Top Overlay "1" at -66.2,-32.7 h1.5 r180
R81: Top Overlay "1" at -66.2,-26.5 h1.5 r180
U6: Note Top "1" at -14.65,6.78 h1 r270
U11: Note Top "1" at 17.7,10.25 h1 r90
U13: Note Top "1" at 17.75,21 h1 r90
U14: Assembly Top "1" at -58.5,-23 h1 r90